# Altium PCB PCB_node1.PcbDoc
Units mil, origin at the board's own origin, x right, y up, seen from the top; angles counter-clockwise.
Board outline 6000 x 4000 mil, 2 copper layers (Top Layer, Bottom Layer); 44 components, 46 nets, 164 pads, 0 vias.
Unrouted connection lines stored in the file: 89.
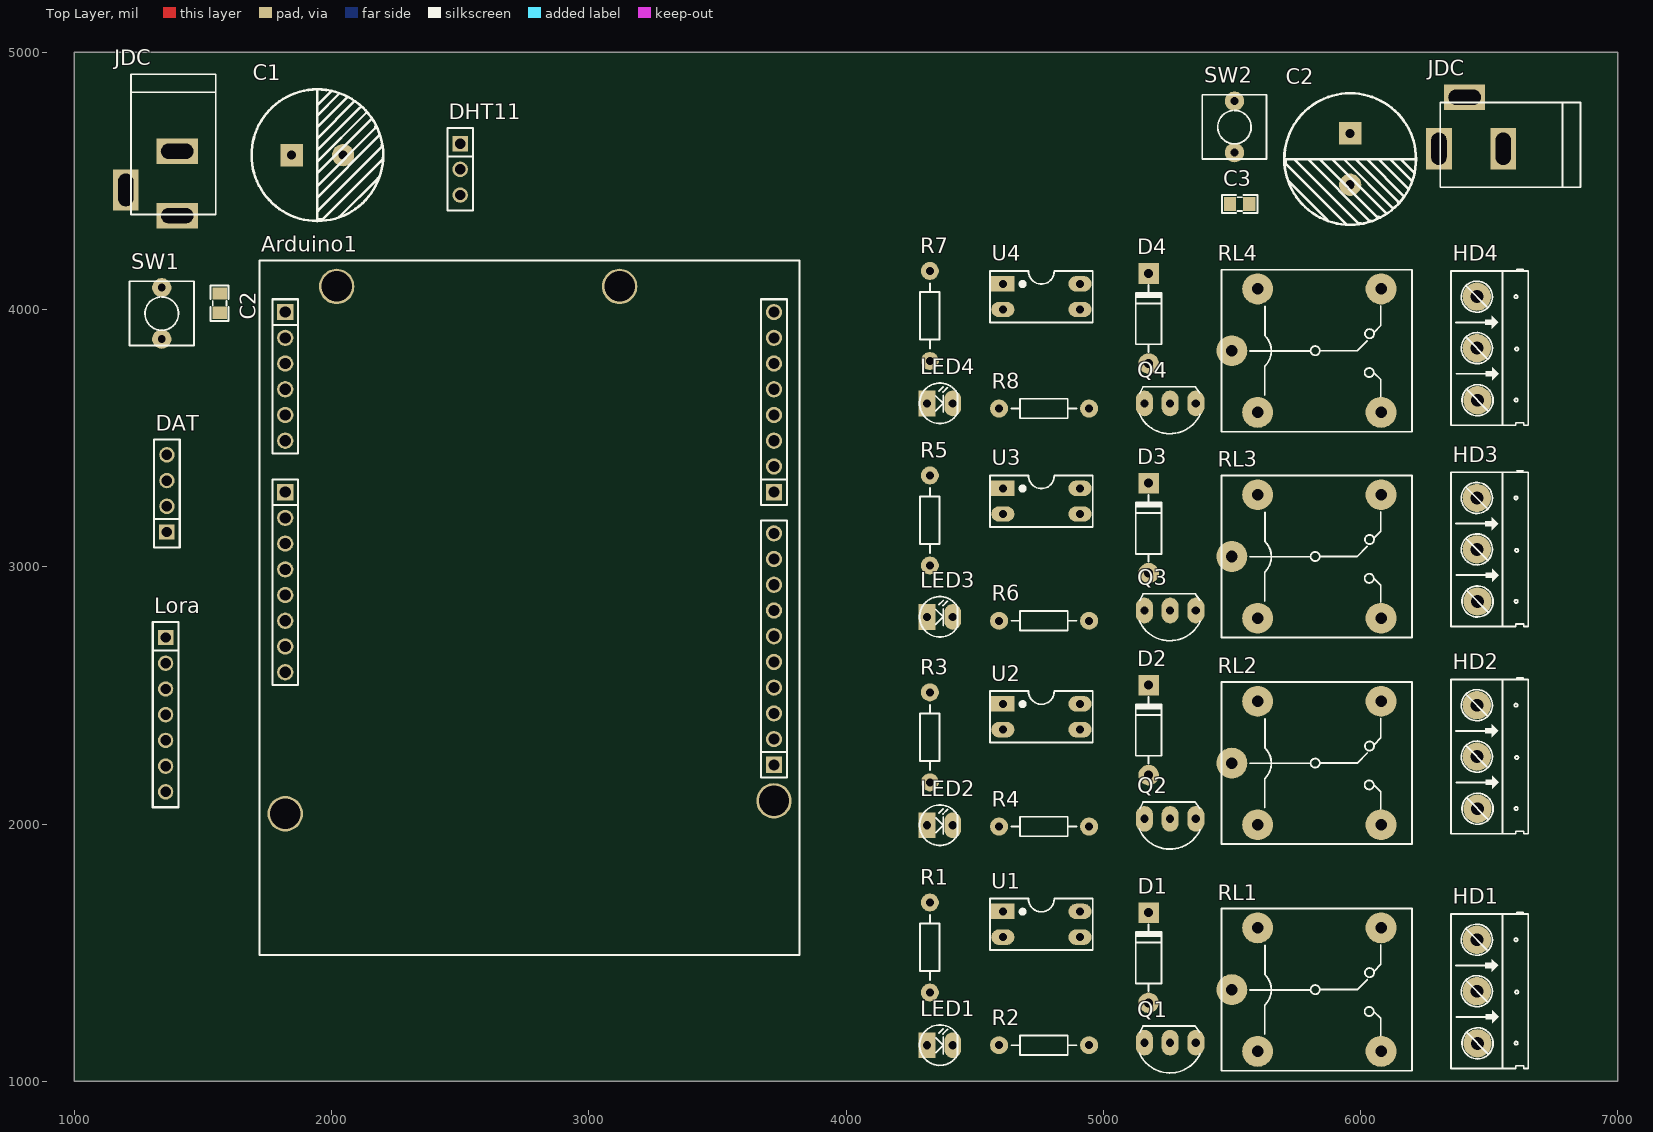
[diagram p0: Top Layer view]
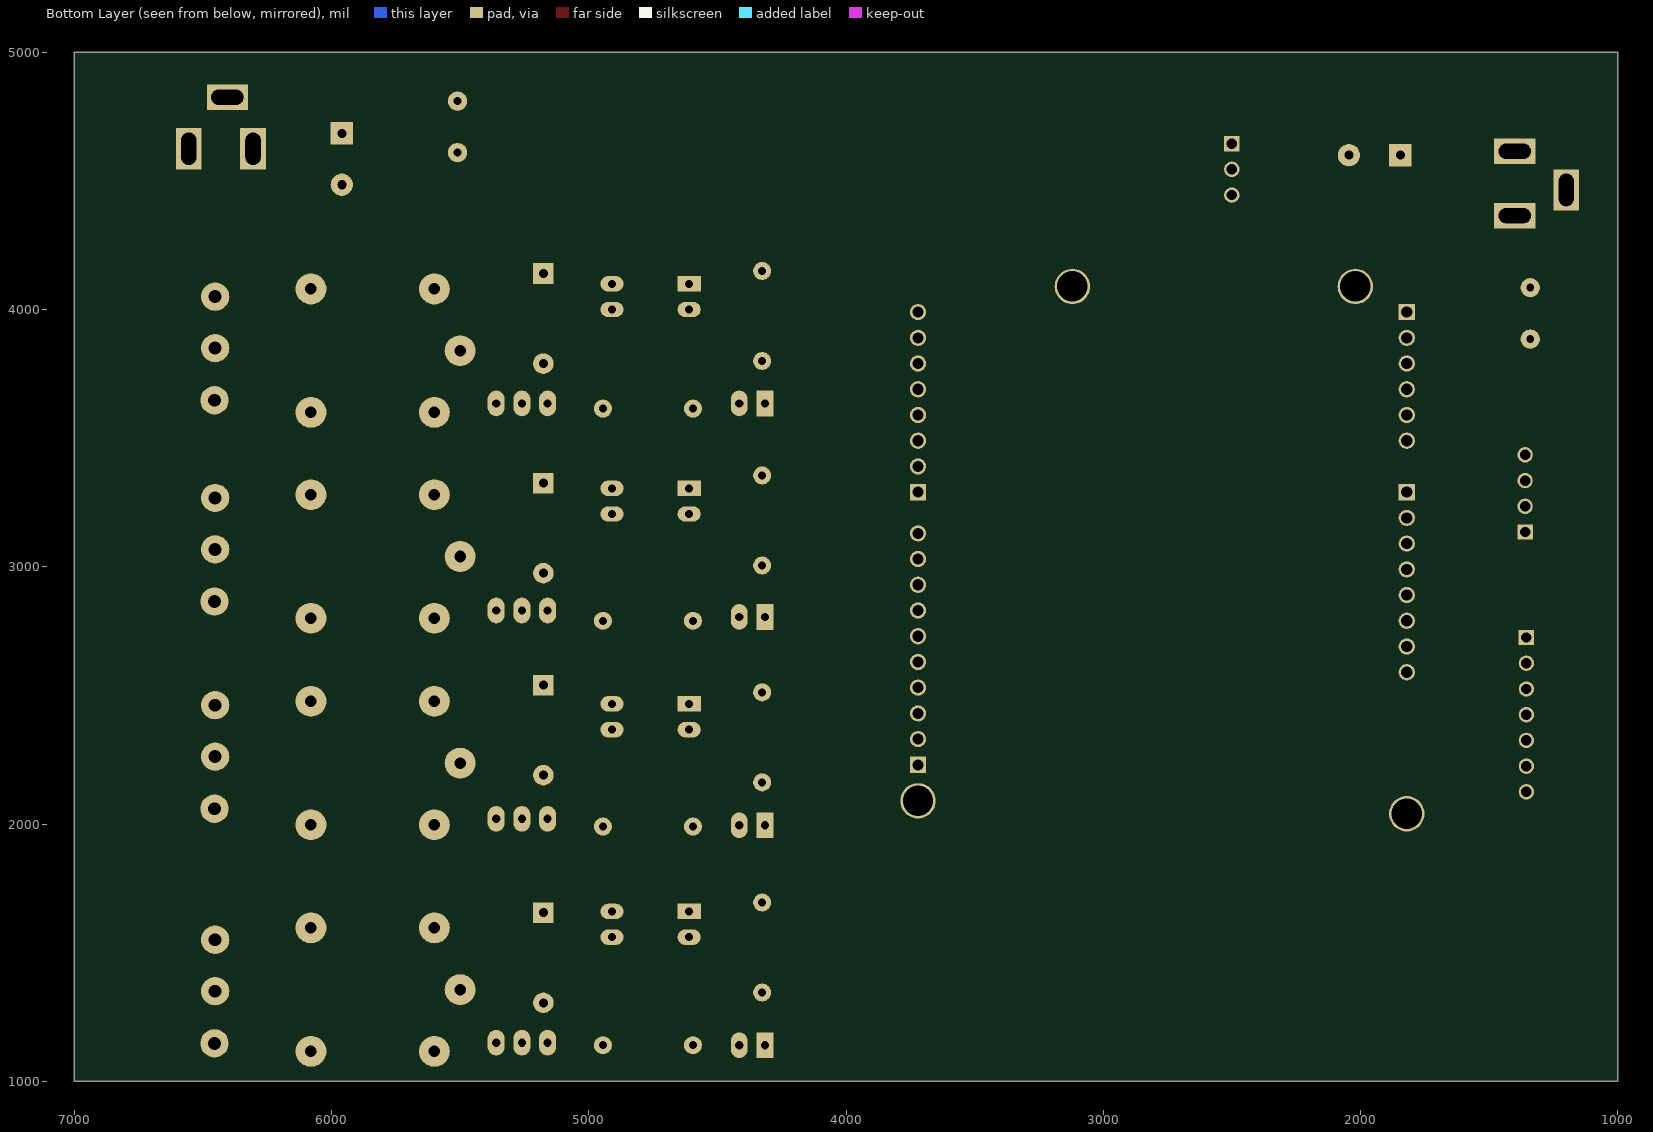
[diagram p1: Bottom Layer view, seen from below]

## Layer stack, top to bottom
Top Solder: solder mask 0.4, Solder Resist, Dk 3.5
Top Layer: signal copper 1.4
Dielectric 1: dielectric 12.6, FR-4, Dk 4.8
Bottom Layer: signal copper 1.4
Bottom Solder: solder mask 0.4, Solder Resist, Dk 3.5

## Board outline
1000,1000 7000,1000 7000,5000 1000,5000

## Design rules (kind name [scope] priority, off if disabled: settings)
Clearance [All] p1: gap=20 ignorepadtopadclearanceinfootprint=FALSE
PolygonConnect [All] p1: connectstyle=Relief reliefconductorwidth=10 reliefentries=4 polygonreliefangle="90 Angle" airgapwidth=10
RoutingLayers [All] p1: top layer_v5=FALSE bottom layer_v5=TRUE
RoutingVias [All] p1: holewidth=20 width=35 viastyle="Through Hole" minholewidth=15 minwidth=25 maxholewidth=28 maxwidth=50
SolderMaskExpansion [All] p1: expansion=4
Width [All] p1: maxlimit=40 minlimit=20 preferedwidth=30
29 further rules are at their usual default settings.

## Components (designator, comment, footprint, x,y, rotation, side; value= is the part's Value field where it differs from the comment)
Arduino1 "Arduino Uno R3" "Arduino UNO R3" 2730,2815 r270 top value="Cau 1A"
C1 "1000uF" "tu hoa 13mm" 1945,4600 r0 top
C2 "1000uF" "tu hoa 13mm" 5960,4585 r270 top
C2 "106" "Tu 0805" 1565,4025 r90 top
C3 "106" "Tu 0805" 5530,4410 r0 top
D1 "1N4007" D1A 5176.5,1305 r270 top
D2 "1N4007" D1A 5176.5,2190 r270 top
D3 "1N4007" D1A 5176.5,2975 r270 top
D4 "1N4007" D1A 5176.5,3790 r270 top
DAT "" JP4-C1T 1360,3135 r90 top
DHT11 "" JP3-C1T 2500,4645 r270 top
HD1 "Header 3" HED3 6452.38,1550 r270 top
HD2 "Header 3" HED3 6452.38,2461.9 r270 top
HD3 "Header 3" HED3 6452.38,3267.62 r270 top
HD4 "Header 3" HED3 6452.38,4050 r270 top
JDC "Jack2" DC-IN 6430,4725 r180 top
JDC "Jack DC5.5x2.1" DC-IN 1300,4490 r270 top
LED1 "LED" LED-3 4315,1140 r0 top value="LED 3 ly Single Colour"
LED2 "LED" LED-3 4315,1995 r0 top value="LED 3 ly Single Colour"
LED3 "LED" LED-3 4315,2805 r0 top value="LED 3 ly Single Colour"
LED4 "LED" LED-3 4315,3635 r0 top value="LED 3 ly Single Colour"
Lora "" JP7-C1T 1355,2725 r270 top
Q1 "C1815" QTO-92 5260,1150 r180 top
Q2 "C1815" QTO-92 5260,2020 r180 top
Q3 "C1815" QTO-92 5260,2830 r180 top
Q4 "C1815" QTO-92 5260,3635 r180 top
R1 "Res1" R1/4W 4325.99,1345 r90 top value=1K
R2 "Res1" R1/4W 4945,1140 r180 top value=1K
R3 "Res1" R1/4W 4325.99,2161.9 r90 top value=1K
R4 "Res1" R1/4W 4945,1990 r180 top value=1K
R5 "Res1" R1/4W 4325.99,3005 r90 top value=1K
R6 "Res1" R1/4W 4945,2790 r180 top value=1K
R7 "Res1" R1/4W 4325.99,3800 r90 top value=1K
R8 "Res1" R1/4W 4945,3615 r180 top value=1K
RL1 "Relay 5V" RL_SPDT_10A 5500,1356.07 r0 top value="Relay SPDT, 10A, 12V"
RL2 "Relay 5V" RL_SPDT_10A 5500,2236.9 r0 top value="Relay SPDT, 10A, 12V"
RL3 "Relay 5V" RL_SPDT_10A 5500,3040 r0 top value="Relay SPDT, 10A, 12V"
RL4 "Relay 5V" RL_SPDT_10A 5500,3840 r0 top value="Relay SPDT, 10A, 12V"
SW1 "btn2" SW2 1340,3885 r90 top
SW2 "btn2" SW2 5510,4610 r90 top
U1 "PC817" DIP4/W0.3 4609.5,1660 r270 top
U2 "PC817" DIP4/W0.3 4609.5,2466.9 r270 top
U3 "PC817" DIP4/W0.3 4609.5,3305 r270 top
U4 "PC817" DIP4/W0.3 4609.5,4100 r270 top

## Footprints (in the part's own frame and the unit in brackets; to place one, negate y for a bottom-side part, rotate by r counter-clockwise, add the part's x,y. Pads: shape width x height; smd on the part's side, far side on the other; paste and mask are expansions set on the pad)
"Arduino UNO R3" [mm]
  round 1.6 hole 1.1: 0-RX(-29.845,25.146) 1-TX(-27.305,25.146) 2(-24.765,25.146) 3V3(-1.905,-23.114) 4(-19.685,25.146) 5V(-4.445,-23.114) 8(-8.001,25.146) 12(2.159,25.146) 13(4.699,25.146) A0(-17.145,-23.114) A1(-19.685,-23.114) A2(-22.225,-23.114) A3(-24.765,-23.114) A4(-27.305,-23.114) AREF(9.779,25.146) GND(-9.525,-23.114) GND(-6.985,-23.114) GND(7.239,25.146) IOREF(3.175,-23.114) NC(5.715,-23.114) RESET(0.635,-23.114) SDA(12.319,25.146) ~3(-22.225,25.146) ~5(-17.145,25.146) ~6(-14.605,25.146) ~9(-5.461,25.146) ~10(-2.921,25.146) ~11(-0.381,25.146)
  rect 1.6x1.6 hole 1.1: 7(-12.065,25.146) A5(-29.845,-23.114) SCL(14.859,25.146) Vin(-12.065,-23.114)
  round 3.5 hole 3: GND(-32.385,9.906) GND(18.415,25.146) GND(19.685,-23.114) ""(-32.385,-18.034)
  round 0 all layers, no hole: ""(-32.385,9.906) ""(18.415,25.146) ""(19.685,-23.114)
  oval 0x2 all layers, no hole: ""(-32.385,-18.034)
  silkscreen extent -34.93,-25.65 33.66,27.69, body extent -34.93,-25.65 40,27.69, height 15.28
D1A [mil] "Diode 1A, W 100mil, L 350mil"
  round 80 hole 35: 1(0,0)
  rect 80x80 hole 35: 2(-350,0)
  silkscreen extent -305,-50 -45,50, body extent -386,-33 34,36, height 84
DC-IN [mil] "Jac DC input"
  rect 100x160 hole 59.06 slot 125.98 at 90 deg: 1(125,100) 2(-125,100)
  rect 160x100 hole 59.06 slot 125.98 at 0 deg: 3(25,-100)
  silkscreen extent -425,-80 120,250, body extent -410,-105 134,269, height 434
DIP4/W0.3 [mil] "4 PIN, W 300mil, Pin to pin 100mil"
  rect 60x90 hole 31: 1(0,0)
  oval 60x90 hole 31: 2(100,0) 3(100,300) 4(0,300)
  silkscreen extent -50,-50 150,350, body extent -59,-10 159,305, height 170
HED3 [mil] "Header 3, 3 pin, hight 300mil, Pin to Pin 200, Colour Green"
  round 110 hole 50: 1(0,0) 2(200,0) 3(402.62,2.62)
  silkscreen extent -106,-100 500,200
JP3-C1T [mm] "3 row, straight, gold plating"
  rect 1.52x1.52 hole 1.02: 1(0,0)
  round 1.52 hole 1.02: 2(2.54,0) 3(5.08,0)
  silkscreen extent -1.52,-1.27 6.6,1.27, body extent -1.52,-1.25 6.6,1.25, height 8.51
JP4-C1T [mm] "4 row, straight, gold plating"
  rect 1.52x1.52 hole 1.02: 1(0,0)
  round 1.52 hole 1.02: 2(2.54,0) 3(5.08,0) 4(7.62,0)
  silkscreen extent -1.52,-1.27 9.14,1.27, body extent -1.52,-1.25 9.14,1.25, height 8.51
JP7-C1T [mm] "7 row, straight, gold plating"
  rect 1.52x1.52 hole 1.02: 1(0,0)
  round 1.52 hole 1.02: 2(2.54,0) 3(5.08,0) 4(7.62,0) 5(10.16,0) 6(12.7,0) 7(15.24,0)
  silkscreen extent -1.52,-1.27 16.76,1.27, body extent -1.52,-1.25 16.76,1.25, height 8.51
LED-3 [mil] "LED 2 PIN, 3ly Only colour"
  rect 65x100 hole 32: 1(0,0)
  oval 65x100 hole 32: 2(100,0)
  silkscreen extent -29,-78 118,79, body extent -25,-75 113,75, height 217
QTO-92 [mil] "TO-92"
  oval 66x100 hole 32: 1(-100,0) 2(0,0) 3(100,0)
  silkscreen extent -117,-65 120,118, body extent -109,-66 109,95, height 245
R1/4W [mil] "R 1/4W, 2 Pin, 350mil"
  round 70 hole 31: 1(0,0) 2(350,0)
  silkscreen extent 48,-38 302,38, body extent -40,-47 386,47, height 111
RL_SPDT_10A [mil] "Relay SPDT, 5 pin, 10A,W 650mil, L 800mil, H 800mil"
  round 120 hole 45: 1(0,0) 2(580,240) 3(580,-240) 4(100,-240) 5(100,240)
  silkscreen extent -40,-315 700,315, body extent -46,-304 706,306, height 602
SW2 [mil] "SW button 2pin, 250x 250 mil"
  round 75 hole 31: 1(0,0) 2(200,0)
  silkscreen extent -25,-125 225,125
"Tu 0805" [mm] "Compoment SMD 80x50mil"
  rect 1.2x1.4 smd: 1(-0.946,-0.003) 2(0.954,-0.003)
  silkscreen extent -1.75,-0.89 1.75,0.89, body extent -1.01,-0.64 1.01,0.63, height 0.61
"tu hoa 13mm" [mm]
  rect 2.2x2.2 hole 0.9: 1(-2.54,0)
  round 2.2 hole 0.9: 2(2.54,0)
  silkscreen extent -6.5,-6.5 6.5,6.5, body extent -6.25,-6.25 6.26,6.25, height 23.02

## Part data
Arduino1: "Arduino UNO R3", ="Cau 5A"
C1 C2: library part "Tu Hoa 1000uF 25V 13x21", "C?m", Chung_Loai=C?m, Don_Vi=Con, Ma_Hang=MH002315, So_Chan=2, Ten_Linh_Kien="T? Hóa 1000uF 25V 13x21MM"
C2 C3: library part "Tu 0805 106 16V 10%", "Dán", Chung_Loai=Dán, Don_Vi=Con, Ma_Hang=MH004553, So_Chan=2, Ten_Linh_Kien="T? 0805 106-10uF 10% 16V"
D1 D2 D3 D4: library part D1A, "Diode 1A"
DAT: library part JP4, "WR-PHD 2.54 mm Angled Socket Header", Manufacturer="W¨¹rth Elektronik eiSos GmbH", partNo=613004143121, ComponentLink1 Description=Manufacturer, ComponentLink1URL=http://www.we-online.com, ComponentLink2 Description=Datasheet, ComponentLink2URL=http://katalog.we-online.de/em/datasheet/6130xx143121.pdf, Created by="Karrer Zheng", Created Date="29 March 2013", NoPins=04
DHT11: library part JP3, "WR-PHD 2.54 mm Angled Socket Header", Manufacturer="W¨¹rth Elektronik eiSos GmbH", partNo=613003143121, ComponentLink1 Description=Manufacturer, ComponentLink1URL=http://www.we-online.com, ComponentLink2 Description=Datasheet, ComponentLink2URL=http://katalog.we-online.de/em/datasheet/6130xx143121.pdf, Created by="Karrer Zheng", Created Date="29 March 2013", NoPins=03
HD1 HD2 HD3 HD4: library part Hed3, "Header 3 (Green)"
JDC JDC: library part Jac_DC, "C?m", Chung_Loai=C?m, Don_Vi=Con, Ma_Hang=MH000923, Ten_Linh_Kien="Jack DC5.5x2.1MM DC5501"
LED1 LED2 LED3 LED4: "LED Single colour Green and Red"
Lora: library part JP7, "WR-PHD 2.54 mm Angled Socket Header", Manufacturer="W¨¹rth Elektronik eiSos GmbH", partNo=613007143121, ComponentLink1 Description=Manufacturer, ComponentLink1URL=http://www.we-online.com, ComponentLink2 Description=Datasheet, ComponentLink2URL=http://katalog.we-online.de/em/datasheet/6130xx143121.pdf, Created by="Karrer Zheng", Created Date="29 March 2013", NoPins=07
Q1 Q2 Q3 Q4: "NPN 600mW, ECB", =C2383
R1 R2 R3 R4 R5 R6 R7 R8: library part Res1_1, "Resistor", Manufacturer="Generic Components", Class=Passive, Published=08/06/2000, Publisher="Altium Hobart Technology Centre", SubClass=Resistor
RL1 RL2 RL3 RL4: library part "Relay 1", "Relay SPDT,10A - 12VDC 5 Pin", ="Relay SPDT, 10A, 24V"
SW1 SW2: library part "Nut Nhan 2 Chan ( Dip )", "C?m", Chung_Loai=C?m, Don_Vi=Con, Ma_Hang=MH001959, Ten_Linh_Kien="Nút Nh?n 2 Chân 6x6x5MM DIP"
U1 U2 U3 U4: "Single Opto"

## Nets (pads, with @x,y where several pads share a name; then routed paths per layer and width w, separated by ;. In a path a pad name is that pad's centre, name@x,y a point inside that pad or via, vN(x,y) a via of type N, cw(c..) or ccw(c..) an arc to the next point about the centre after c; other vN are vias at no path point)
5V: Arduino1.5V C1.1 DAT.1 DHT11.1 JDC.1@1400,4365 Lora.1 R1.2 R3.2 R5.2 R7.2 SW1.2
5V_B: C2.1@5960,4685 D1.2 D2.2 D3.2 D4.2 JDC.1@6305,4625 RL1.5 RL2.5 RL3.5 RL4.5 SW2.2 U1.4 U2.4 U3.4 U4.4
GND: Arduino1.GND C1.2 C2.2@1565.13,4062.57 DAT.2 DHT11.3 JDC.2@1400,4615 Lora.2 Lora.6 Lora.7
GND_B: C2.2@5960,4485 C3.2 JDC.2@6555,4625 Q1.1 Q2.1 Q3.1 Q4.1
"GPIO 5": Arduino1.~5 LED4.2
"GPIO 6": Arduino1.~6 LED3.2
"GPIO 7": Arduino1.7 LED2.2
"GPIO 8": Arduino1.8 LED1.2
NetArduino1_2: Arduino1.2 Lora.4
NetArduino1_4: Arduino1.4 DHT11.2
NetArduino1_A0: Arduino1.A0 DAT.4
NetArduino1_~3: Arduino1.~3 Lora.5
NetC2_1: C2.1@1565.13,3987.77 SW1.1
NetC3_1: C3.1 SW2.1
NetD1_1: D1.1 Q1.2 RL1.4
NetD2_1: D2.1 Q2.2 RL2.4
NetD3_1: D3.1 Q3.2 RL3.4
NetD4_1: D4.1 Q4.2 RL4.4
NetHD1_1: HD1.1 RL1.2
NetHD1_2: HD1.2 RL1.1
NetHD1_3: HD1.3 RL1.3
NetHD2_1: HD2.1 RL2.2
NetHD2_2: HD2.2 RL2.1
NetHD2_3: HD2.3 RL2.3
NetHD3_1: HD3.1 RL3.2
NetHD3_2: HD3.2 RL3.1
NetHD3_3: HD3.3 RL3.3
NetHD4_1: HD4.1 RL4.2
NetHD4_2: HD4.2 RL4.1
NetHD4_3: HD4.3 RL4.3
NetLED1_1: LED1.1 U1.2
NetLED2_1: LED2.1 U2.2
NetLED3_1: LED3.1 U3.2
NetLED4_1: LED4.1 U4.2
NetQ1_3: Q1.3 R2.1
NetQ2_3: Q2.3 R4.1
NetQ3_3: Q3.3 R6.1
NetQ4_3: Q4.3 R8.1
NetR1_1: R1.1 U1.1
NetR2_2: R2.2 U1.3
NetR3_1: R3.1 U2.1
NetR4_2: R4.2 U2.3
NetR5_1: R5.1 U3.1
NetR6_2: R6.2 U3.3
NetR7_1: R7.1 U4.1
NetR8_2: R8.2 U4.3
pads on no net: Arduino1. Arduino1.0-RX Arduino1.1-TX Arduino1.3V3 Arduino1.12 Arduino1.13 Arduino1.A1 Arduino1.A2 Arduino1.A3 Arduino1.A4 Arduino1.A5 Arduino1.AREF Arduino1.IOREF Arduino1.NC Arduino1.RESET Arduino1.SCL Arduino1.SDA Arduino1.Vin Arduino1.~9 Arduino1.~10 Arduino1.~11 DAT.3 JDC.3 Lora.3